# KiCad board HPM6750_COMBO_RevB .kicad_pcb
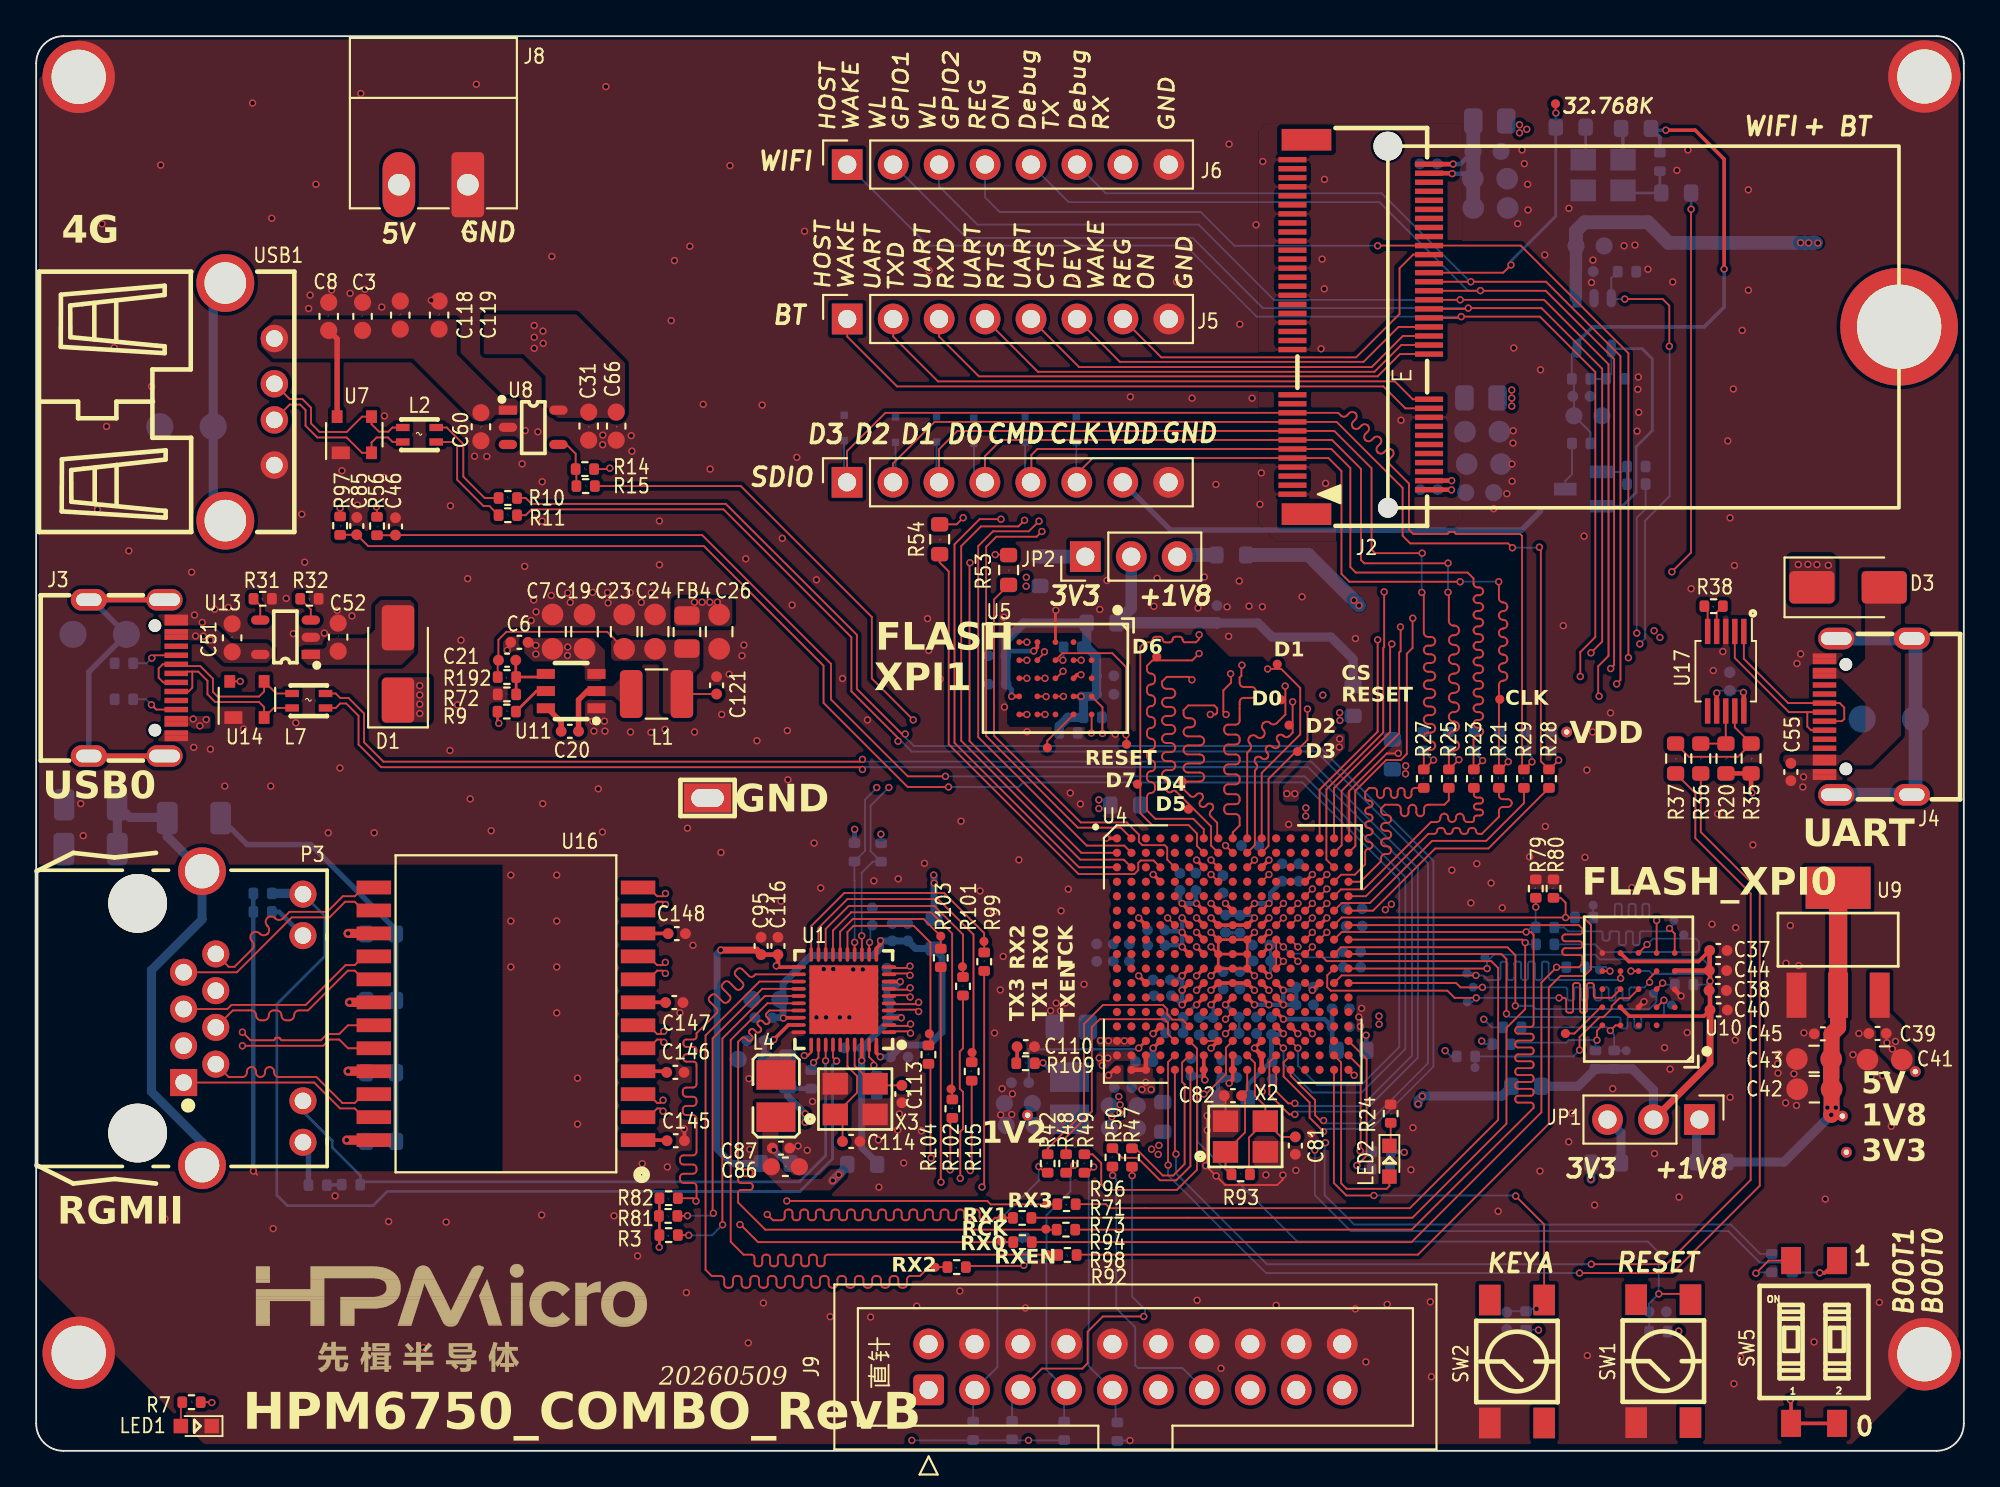
[diagram p0: board, top side]
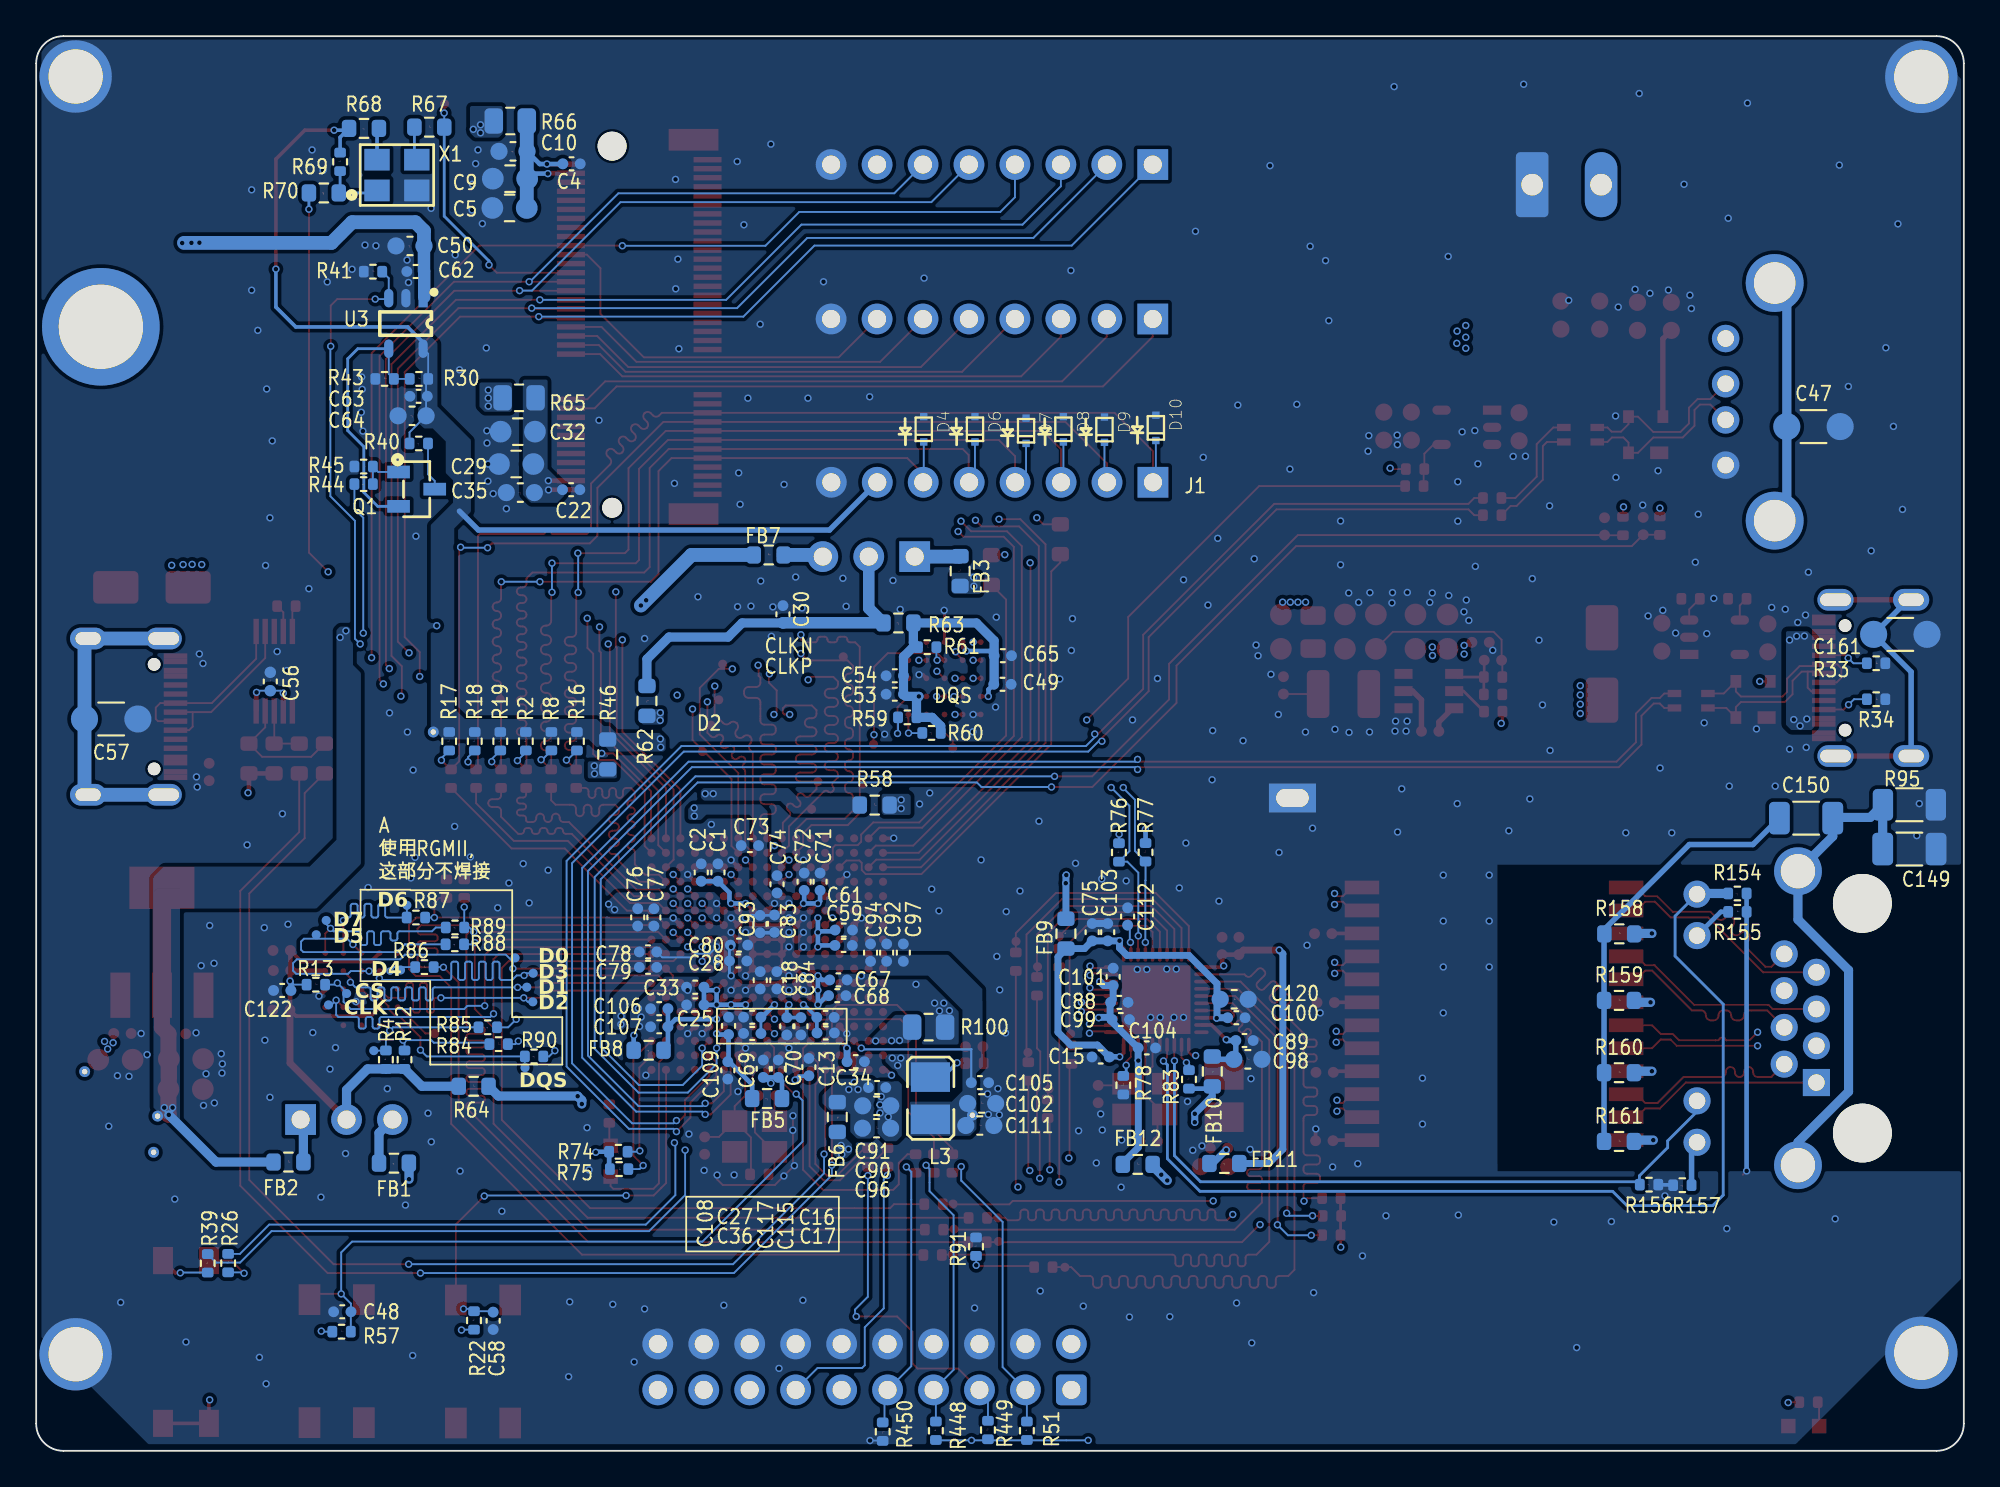
[diagram p1: board, bottom side, seen from below]

Outline 106.55 x 78.23 mm; copper layers: Top, GND2 (plane), POWER3, Bottom. Coordinates in mm from the lower left corner of the outline.
Outline path: 0,76.73 arc(0.44,77.79) 1.5,78.23 105.05,78.23 arc(106.11,77.79) 106.55,76.73 106.55,1.5 arc(106.11,0.44) 105.05,0 1.5,0 arc(0.44,0.44) 0,1.5 0,76.73
Stack: Top 0.0175mm / dielectric 0.1mm FR4 er 4.5 / GND2 0.0175mm / dielectric 1.31mm FR4 er 4.5 / POWER3 0.0175mm / dielectric 0.1mm FR4 er 4.5 / Bottom 0.0175mm

## Placement (name value [footprint] x y rotation side)
C1  0.1uF,16V  [C_0402_1005Metric]  68.87 31.98 270 bottom
C2  10uF,10V  [C_0402_1005Metric]  69.79 31.98 90 bottom
C3  10uF,16V  [C_0603_1608Metric]  18.04 62.74 90 top
C4  0.1uF,16V  [C_0402_1005Metric]  76.96 71.17 180 bottom
C5  22uF,16V  [C_0805_2012Metric]  80.38 68.73 0 bottom
C6  0.1uF,16V  [C_0402_1005Metric]  26.71 44.71 180 top
C7  22uF,16V  [C_0805_2012Metric]  28.54 45.3 90 top
C8  10uF,16V  [C_0603_1608Metric]  16.17 62.74 90 top
C9  22uF,16V  [C_0805_2012Metric]  80.36 70.35 0 bottom
C10  1uF,10V  [C_0603_1608Metric]  80.19 71.86 0 bottom
C13  0.1uF,16V  [C_0402_1005Metric]  63.84 21.22 270 bottom
C15  0.1uF,16V  [C_0402_1005Metric]  47.71 21.78 0 bottom
C16  4.7uF,10V  [C_0402_1005Metric]  62.92 23.97 180 bottom
C17  0.1uF,16V  [C_0402_1005Metric]  62.91 23.11 180 bottom
C18  10uF,10V  [C_0402_1005Metric]  66.53 26.02 270 bottom
C19  22uF,16V  [C_0805_2012Metric]  30.31 45.3 90 top
C20  0.1uF,16V  [C_0402_1005Metric]  29.5 39.79 0 top
C21  22pF,50V  [C_0402_1005Metric]  26.03 43.72 0 top
C22  0.1uF,16V  [C_0402_1005Metric]  76.98 53.15 180 bottom
C23  22uF,16V  [C_0805_2012Metric]  32.5 45.3 90 top
C24  22uF,16V  [C_0805_2012Metric]  34.21 45.3 90 top
C25  10uF,10V  [C_0402_1005Metric]  70.12 24.66 0 bottom
C26  22uF,16V  [C_0805_2012Metric]  37.75 45.3 270 top
C27  4.7uF,10V  [C_0402_1005Metric]  66.97 23.98 0 bottom
C28  10uF,10V  [C_0402_1005Metric]  67.75 27.09 0 bottom
C29  22uF,16V  [C_0805_2012Metric]  80.02 54.57 0 bottom
C30  10uF,10V  [C_0402_1005Metric]  65.27 46.26 90 bottom
C31  10uF,16V  [C_0603_1608Metric]  30.54 56.67 270 top
C32  22uF,16V  [C_0805_2012Metric]  79.93 56.36 0 bottom
C33  0.1uF,16V  [C_0402_1005Metric]  70.12 25.64 180 bottom
C34  10uF,10V  [C_0402_1005Metric]  61.25 21.52 180 bottom
C35  1uF,10V  [C_0603_1608Metric]  79.79 52.99 0 bottom
C36  0.1uF,16V  [C_0402_1005Metric]  66.97 23.08 0 bottom
C37  0.1uF,16V  [C_0402_1005Metric]  92.98 27.67 0 top
C38  0.1uF,16V  [C_0402_1005Metric]  92.95 25.46 0 top
C39  0.1uF,16V  [C_0402_1005Metric]  101.78 23.08 180 top
C40  0.1uF,16V  [C_0402_1005Metric]  93 24.38 0 top
C41  22uF,16V  [C_0805_2012Metric]  102.17 21.63 180 top
C42  22uF,16V  [C_0805_2012Metric]  98.29 20 180 top
C43  22uF,16V  [C_0805_2012Metric]  98.27 21.67 180 top
C44  10uF,10V  [C_0402_1005Metric]  92.96 26.56 0 top
C45  0.1uF,16V  [C_0402_1005Metric]  98.76 23.06 180 top
C46  0.1uF,16V  [C_0402_1005Metric]  19.86 51.12 90 top
C47  1nF,2kV  [C_1206_3216Metric#2]  8.31 56.64 180 bottom
C48  0.1uF,16V  [C_0402_1005Metric]  89.63 7.69 0 bottom
C49  0.1uF,16V  [C_0402_1005Metric]  53.14 42.39 180 bottom
C50  10uF,16V  [C_0603_1608Metric]  85.89 66.63 0 bottom
C51  10uF,16V  [C_0603_1608Metric]  10.83 44.96 90 top
C52  10uF,16V  [C_0603_1608Metric]  16.69 45 90 top
C53  0.1uF,16V  [C_0402_1005Metric]  59.09 41.84 0 bottom
C54  0.1uF,16V  [C_0402_1005Metric]  59.09 42.86 0 bottom
C55  10uF,10V  [C_0402_1005Metric]  96.99 37.54 270 top
C56  0.1uF,16V  [C_0402]  93.61 42.54 90 bottom
C57  1nF,2kV  [C_1206_3216Metric#2]  102.41 40.47 0 bottom
C58  0.1uF,16V  [C_0402_1005Metric]  81.29 7.19 270 bottom
C59  10uF,10V  [C_0402_1005Metric]  61.92 27.95 180 bottom
C60  10uF,16V  [C_0603_1608Metric]  24.58 56.63 270 top
C61  0.1uF,16V  [C_0402_1005Metric]  61.91 28.8 0 bottom
C62  0.1uF,16V  [C_0402_1005Metric]  85.58 65.22 0 bottom
C63  0.1uF,16V  [C_0402_1005Metric]  85.41 58.32 0 bottom
C64  10uF,16V  [C_0603_1608Metric]  85.77 57.24 0 bottom
C65  10uF,10V  [C_0402_1005Metric]  53.12 43.97 180 bottom
C66  10uF,16V  [C_0603_1608Metric]  32.06 56.67 270 top
C67  10uF,10V  [C_0402_1005Metric]  62.21 26.04 180 bottom
C68  0.1uF,16V  [C_0402_1005Metric]  62.27 25.17 0 bottom
C69  10uF,10V  [C_0402_1005Metric]  66.36 21.13 90 bottom
C70  0.1uF,16V  [C_0402_1005Metric]  65.53 21.13 270 bottom
C71  10uF,10V  [C_0402_1005Metric]  63.22 31.47 90 bottom
C72  0.1uF,16V  [C_0402_1005Metric]  64.1 31.47 270 bottom
C73  10uF,10V  [C_0402_1005Metric]  67.1 33.47 0 bottom
C74  0.1uF,16V  [C_0402_1005Metric]  65.6 31.33 270 bottom
C75  22uF,6.3V  [C_0402_1005Metric]  48.18 28.68 90 bottom
C76  10uF,10V  [C_0402_1005Metric]  73.3 29.5 270 bottom
C77  0.1uF,16V  [C_0402_1005Metric]  72.4 29.5 90 bottom
C78  10uF,10V  [C_0402_1005Metric]  72.73 27.59 0 bottom
C79  0.1uF,16V  [C_0402_1005Metric]  72.73 26.74 180 bottom
C80  10uF,10V  [C_0402_1005Metric]  67.7 27.97 0 bottom
C81  12pF,50V  [C_0402_1005Metric]  69.6 16.88 270 top
C82  12pF,50V  [C_0402_1005Metric]  66.15 19.64 180 top
C83  10uF,10V  [C_0402_1005Metric]  65.74 29.15 90 bottom
C84  0.1uF,16V  [C_0402_1005Metric]  65.61 26.02 270 bottom
C85  0.1uF,16V  [C_0402_1005Metric]  17.72 51.14 90 top
C86  22uF,10V  [C_0603_1608Metric]  41.41 15.71 0 top
C87  0.1uF,16V  [C_0402_1005Metric]  41.17 16.74 0 top
C88  0.1uF,16V  [C_0402_1005Metric]  46.68 24.8 180 bottom
C89  0.1uF,16V  [C_0402_1005Metric]  39.76 22.69 180 bottom
C90  22uF,10V  [C_0603_1608Metric]  60.09 19.08 180 bottom
C91  0.1uF,16V  [C_0402_1005Metric]  60.07 20.09 180 bottom
C92  0.1uF,16V  [C_0402_1005Metric]  59.54 27.55 90 bottom
C93  0.1uF,16V  [C_0402_1005Metric]  66.54 29.13 90 bottom
C94  0.1uF,16V  [C_0402_1005Metric]  60.43 27.55 90 bottom
C95  0.1uF,16V  [C_0402_1005Metric]  40.07 27.92 90 top
C96  22uF,10V  [C_0603_1608Metric]  60.1 17.84 180 bottom
C97  0.1uF,16V  [C_0402_1005Metric]  58.62 27.55 90 bottom
C98  22uF,10V  [C_0603_1608Metric]  39.57 21.65 180 bottom
C99  22uF,6.3V  [C_0402_1005Metric]  46.6 23.85 180 bottom
C100  0.1uF,16V  [C_0402_1005Metric]  40.21 23.95 180 bottom
C101  0.1uF,16V  [C_0402_1005Metric]  47.02 26.21 90 bottom
C102  22uF,10V  [C_0603_1608Metric]  54.29 19.21 180 bottom
C103  0.1uF,16V  [C_0402_1005Metric]  47.32 28.68 90 bottom
C104  0.1uF,16V  [C_0402_1005Metric]  45.16 22.28 180 bottom
C105  0.1uF,16V  [C_0402_1005Metric]  54.38 20.36 180 bottom
C106  10uF,10V  [C_0402_1005Metric]  72.11 24.45 0 bottom
C107  10nF,50V  [C_0402_1005Metric]  72.11 23.45 0 bottom
C108  10nF,50V  [C_0402_1005Metric]  68.28 23.5 90 bottom
C109  10uF,10V  [C_0402_1005Metric]  68.32 21.04 270 bottom
C110  2.2nF,50V  [C_0402_1005Metric]  54.7 22.35 0 top
C111  22uF,10V  [C_0603_1608Metric]  54.39 17.99 180 bottom
C112  0.1uF,16V  [C_0402_1005Metric]  46.22 29.55 90 bottom
C113  18pF,50V  [C_0402_1005Metric]  47.85 19.73 270 top
C114  18pF,50V  [C_0402_1005Metric]  45.05 17.11 0 top
C115  4.7uF,10V  [C_0402_1005Metric]  64.28 23.48 270 bottom
C116  22uF,6.3V  [C_0402_1005Metric]  41 27.92 90 top
C117  0.1uF,16V  [C_0402_1005Metric]  65.06 23.48 270 bottom
C118  10uF,16V  [C_0603_1608Metric]  20.12 62.81 90 top
C119  10uF,16V  [C_0603_1608Metric]  22.27 62.81 90 top
C120  22uF,10V  [C_0603_1608Metric]  40.33 24.97 180 bottom
C121  0.1uF,16V  [C_0402_1005Metric]  37.61 42.33 90 top
C122  10uF,10V  [C_0402_1005Metric]  92.95 25.46 0 bottom
C145  10nF,50V  [C_0402_1005Metric]  35.35 17.15 0 top
C146  10nF,50V  [C_0402_1005Metric]  35.33 20.93 0 top
C147  10nF,50V  [C_0402_1005Metric]  35.27 24.79 0 top
C148  10nF,50V  [C_0402_1005Metric]  35.41 28.6 0 top
C149  1nF,2kV  [C_1206_3216Metric]  3.01 33.28 0 bottom
C150  1nF,2kV  [C_1206_3216Metric]  8.72 34.99 0 bottom
C161  1nF,2kV  [C_1206_3216Metric#2]  3.51 45.15 0 bottom
D1  SS34A  [D_SMA]  20 43.51 90 top
D3  SS34A  [D_SMA]  100.15 47.75 0 top
D4  D1213A-01T  [SOD_523_1P4]  57.49 56.49 90 bottom
D6  D1213A-01T  [SOD_523_1P4]  54.66 56.49 90 bottom
D7  D1213A-01T  [SOD_523_1P4]  51.83 56.41 90 bottom
D8  D1213A-01T  [SOD_523_1P4]  49.77 56.49 90 bottom
D9  D1213A-01T  [SOD_523_1P4]  47.5 56.47 90 bottom
D10  D1213A-01T  [SOD_523_1P4]  44.66 56.57 90 bottom
FB1  100Ω@100MHz_2A  [R_0603_1608Metric]  86.78 15.91 0 bottom
FB2  100Ω@100MHz 2A  [R_0603_1608Metric]  92.6 15.97 180 bottom
FB3  100Ω@100MHz_2A  [R_0603_1608Metric]  55.48 48.65 90 bottom
FB4  100Ω@100MHz_2A  [R_0805_2012Metric]  35.97 45.28 270 top
FB5  100Ω@100MHz 2A  [R_0603_1608Metric]  66.15 19.48 0 bottom
FB6  100Ω@100MHz 2A  [R_0603_1608Metric]  62.27 18.46 270 bottom
FB7  100Ω@100MHz_2A  [R_0603_1608Metric]  66.06 49.54 180 bottom
FB8  100Ω@100MHz 2A  [R_0603_1608Metric]  72.7 22.15 0 bottom
FB9  600Ω@100MHz_1.3A  [R_0603_1608Metric]  49.63 28.6 90 bottom
FB10  600Ω@100MHz_1.3A  [R_0603_1608Metric]  41.54 20.98 270 bottom
FB11  600Ω@100MHz_1.3A  [R_0603_1608Metric]  40.88 15.89 0 bottom
FB12  600Ω@100MHz_1.3A  [R_0603_1608Metric]  45.66 15.84 180 bottom
H2  MountingHole_Pad  [FIX-4mm]  2.35 75.98 0 top
H3  MountingHole_Pad  [FIX-4mm]  104.37 76 0 top
H4  MountingHole_Pad  [FIX-4mm]  2.35 5.42 0 top
H5  MountingHole_Pad  [FIX-4mm]  104.37 5.34 0 top
J1  Conn_01x08  [PinSocket_1x08_P2.54mm_Vertical]  44.82 53.56 90 top
J2  AS0BC21-S40BE-7H  [S0BC21-S48BE-7H]  73.22 62.15 90 top
J3  USB_Type-C  [TYPE-C-16P]  5.33 42.74 270 top
J4  USB_Type-C  [TYPE-C-16P]  101.26 40.6 90 top
J5  Conn_01x08  [PinSocket_1x08_P2.54mm_Vertical]  44.83 62.59 90 top
J6  Conn_01x08  [PinSocket_1x08_P2.54mm_Vertical]  44.83 71.13 90 top
J7  测试针  [探针]  37.11 36.1 0 top
J8  KF2EDGR_3.81_2P  [PhoenixContact_MC_1,5_2-G-3.81_1x02_P3.81mm_Horizontal]  23.86 70.02 180 top
J9  2.54-2*10P简牛-2  [IDC-Header_2x10_P2.54mm]  49.33 3.37 90 top
JP1  Jumper_3_Bridged12  [PinHeader_1x03_P2.54mm_Vertical]  91.94 18.32 270 top
JP2  Jumper_3_Bridged12  [PinHeader_1x03_P2.54mm_Vertical]  57.99 49.45 90 top
L1  4.7uH_1.6A  [L_1210_3225Metric]  34.29 41.85 0 top
L2  DLW21SN900SQ2L  [L2012]  21.18 56.19 270 top
L3  4.7uH_1.4A  [L1008]  57.12 19.5 270 bottom
L4  4.7uH_1.4A  [L1008]  40.89 19.62 270 top
L7  DLW21SN900SQ2L  [L2012]  15.07 41.48 270 top
LED1  LED_RED  [LED_0603]  8.85 1.37 0 top
LED2  LED_GREEN  [LED_0603]  74.8 16.02 90 top
P3  RJ45  [RJ45-TH_B-1-1]  11.45 23.92 270 top
Q1  2N7002  [SOT-23]  85.52 53.18 0 bottom
R2  30K  [R_0402_1005Metric]  79.48 39.24 90 bottom
R3  4.7K  [R_0402_1005Metric]  34.96 11.93 180 top
R4  10K  [R_0402_1005Metric]  87.22 21.63 90 bottom
R7  1K  [R_0402_1005Metric]  8.58 2.69 0 top
R8  30K  [R_0402_1005Metric]  78.07 39.24 90 bottom
R9  10K  [R_0402_1005Metric]  26.01 40.88 0 top
R10  0Ω  [R_0402_1005Metric]  26.07 52.69 0 top
R11  0Ω  [R_0402_1005Metric]  26.07 51.74 0 top
R12  10K  [R_0402_1005Metric]  86.19 21.63 90 bottom
R13  10K  [R_0402_1005Metric]  91.09 25.78 180 bottom
R14  10K  [R_0402_1005Metric]  30.33 54.29 0 top
R15  0Ω_0402  [R_0402_1005Metric]  30.37 53.35 0 top
R16  30K  [R_0402_1005Metric]  76.66 39.24 90 bottom
R17  30K  [R_0402_1005Metric]  83.72 39.24 90 bottom
R18  30K  [R_0402_1005Metric]  82.31 39.24 90 bottom
R19  30K  [R_0402_1005Metric]  80.9 39.24 90 bottom
R20  10K  [R_0603_1608Metric]  93.4 38.29 270 top
R21  33Ω  [R_0402_1005Metric]  80.85 37.17 90 top
R22  10K  [R_0402_1005Metric]  82.35 7.21 90 bottom
R23  33Ω  [R_0402_1005Metric]  79.47 37.17 90 top
R24  2K  [R_0402_1005Metric]  74.87 18.65 270 top
R25  33Ω  [R_0402_1005Metric]  78.08 37.17 90 top
R26  10K_0402  [R_0402_1005Metric]  95.94 10.38 90 bottom
R27  33Ω  [R_0402_1005Metric]  76.7 37.17 90 top
R28  33Ω  [R_0402_1005Metric]  83.62 37.17 90 top
R29  33Ω  [R_0402_1005Metric]  82.24 37.17 90 top
R30  16K  [R_0402_1005Metric]  85.39 59.28 180 bottom
R31  10K  [R_0402_1005Metric]  12.52 47.12 180 top
R32  330Ω  [R_0402_1005Metric]  15.1 47.12 180 top
R33  5.1K  [R_0402_1005Metric]  4.85 43.55 180 bottom
R34  5.1K  [R_0402_1005Metric]  4.85 41.56 180 bottom
R35  10K  [R_0603_1608Metric]  94.79 38.29 270 top
R36  10Ω  [R_0603_1608Metric]  92.01 38.29 270 top
R37  10Ω  [R_0603_1608Metric]  90.62 38.29 270 top
R38  2K  [R_0402_1005Metric]  92.72 46.71 180 top
R39  10K_0402  [R_0402_1005Metric]  97.07 10.37 90 bottom
R40  10.5K  [R_0402_1005Metric]  85.4 55.71 0 bottom
R41  10K  [R_0402_1005Metric]  87.93 65.21 180 bottom
R42  33Ω  [R_0402_1005Metric]  55.91 15.89 90 top
R43  5.1K  [R_0402_1005Metric]  87.29 59.28 180 bottom
R44  0Ω  [R_0402_1005Metric]  88.45 53.46 0 bottom
R45  100K  [R_0402_1005Metric]  88.45 54.43 180 bottom
R46  0Ω  [R_0603_1608Metric]  74.96 38.51 270 bottom
R47  33Ω  [R_0402_1005Metric]  60.57 16.22 90 top
R48  33Ω  [R_0402_1005Metric]  56.93 15.89 90 top
R49  33Ω  [R_0402_1005Metric]  57.94 15.89 90 top
R50  33Ω  [R_0402_1005Metric]  59.49 16.23 90 top
R51  10K  [R_0402_1005Metric]  51.79 1.11 90 bottom
R53  0Ω  [R_0603_1608Metric]  53.75 48.71 270 top
R54  0Ω  [R_0603_1608Metric]  49.94 50.41 270 top
R56  10Ω  [R_0402_1005Metric]  18.84 51.14 270 top
R57  10K  [R_0402_1005Metric]  89.67 6.59 180 bottom
R58  0Ω  [R_0603_1608Metric]  60.2 35.71 180 bottom
R59  10K  [R_0402_1005Metric]  58.4 40.56 0 bottom
R60  10K  [R_0402_1005Metric]  57.06 39.7 0 bottom
R61  10K  [R_0402_1005Metric]  57.3 44.44 180 bottom
R62  0Ω  [R_0603_1608Metric]  72.79 41.47 270 bottom
R63  0Ω  [R_0603_1608Metric]  58.89 45.78 0 bottom
R64  0Ω  [R_0603_1608Metric]  82.37 20.16 180 bottom
R65  0Ω  [R_0805_2012Metric]  79.86 58.23 0 bottom
R66  0Ω  [R_0805_2012Metric]  80.34 73.54 0 bottom
R67  0Ω  [R_0603_1608Metric]  84.82 73.2 180 bottom
R68  0Ω  [R_0603_1608Metric]  88.43 73.13 0 bottom
R69  10.5K  [R_0402_1005Metric]  89.75 71.28 90 bottom
R70  100Ω  [R_0603_1608Metric]  90.65 69.56 0 bottom
R71  22Ω  [R_0402_1005Metric]  54.5 12.88 180 top
R72  10K  [R_0402_1005Metric]  26.02 41.83 0 top
R73  22Ω  [R_0402_1005Metric]  56.92 12.23 180 top
R74  4.7K  [R_0402_1005Metric]  74.37 16.54 0 bottom
R75  10K  [R_0402_1005Metric]  74.33 15.58 180 bottom
R76  4.7K  [R_0402_1005Metric]  46.7 33.09 90 bottom
R77  4.7K  [R_0402_1005Metric]  45.23 33.1 90 bottom
R78  2.49K  [R_0402_1005Metric]  46.46 20.22 90 bottom
R79  4.7K  [R_0402_1005Metric]  82.89 31.09 90 top
R80  4.7K  [R_0402_1005Metric]  83.87 31.09 90 top
R81  4.7K  [R_0402_1005Metric]  34.93 12.99 180 top
R82  4.7K  [R_0402_1005Metric]  34.96 13.97 180 top
R83  4.7K  [R_0402_1005Metric]  42.83 20.54 90 bottom
R84  0Ω  [R_0402_1005Metric]  80.99 22.49 180 bottom
R85  0Ω  [R_0402_1005Metric]  81.59 23.42 0 bottom
R86  0Ω  [R_0402_1005Metric]  85.09 26.75 180 bottom
R87  0Ω  [R_0402_1005Metric]  85.56 29.49 0 bottom
R88  0Ω  [R_0402_1005Metric]  83.41 28.01 0 bottom
R89  0Ω  [R_0402_1005Metric]  83.4 28.94 0 bottom
R90  0Ω  [R_0402_1005Metric]  79.03 21.81 0 bottom
R91  4.7K  [R_0402_1005Metric]  54.6 11.29 90 bottom
R92  22Ω  [R_0402_1005Metric]  50.88 10.16 180 top
R93  1M  [R_0402_1005Metric]  66.58 15.29 0 top
R94  22Ω  [R_0402_1005Metric]  54.52 11.54 180 top
R95  1M  [R_1206_3216Metric]  3.01 35.73 180 bottom
R96  22Ω  [R_0402_1005Metric]  56.95 13.64 180 top
R97  10Ω  [R_0402_1005Metric]  16.8 51.16 270 top
R98  0Ω  [R_0402_1005Metric]  57 10.83 180 top
R99  22Ω  [R_0402_1005Metric]  52.4 27.05 90 top
R100  0Ω  [R_0805_2012Metric]  57.22 23.43 0 bottom
R101  22Ω  [R_0402_1005Metric]  51.23 25.69 90 top
R102  22Ω  [R_0402_1005Metric]  50.64 18.92 90 top
R103  22Ω  [R_0402_1005Metric]  50 27.26 90 top
R104  22Ω  [R_0402_1005Metric]  49.32 21.91 90 top
R105  22Ω  [R_0402_1005Metric]  51.71 20.98 90 top
R109  10Ω  [R_0402_1005Metric]  54.69 21.43 0 top
R154  4.7K  [R_0402_1005Metric]  12.52 30.82 0 bottom
R155  330Ω  [R_0402_1005Metric]  12.51 29.81 180 bottom
R156  4.7K  [R_0402_1005Metric]  17.4 14.72 0 bottom
R157  330Ω  [R_0402_1005Metric]  15.56 14.69 0 bottom
R158  75Ω_0603  [R_0603_1608Metric]  19.04 28.59 180 bottom
R159  75Ω_0603  [R_0603_1608Metric]  19.06 24.91 180 bottom
R160  75Ω_0603  [R_0603_1608Metric]  19.06 20.91 180 bottom
R161  75Ω_0603  [R_0603_1608Metric]  19.06 17.11 180 bottom
R192  33.2K  [R_0402_1005Metric]  26.02 42.79 180 top
R448  10K  [R_0402_1005Metric]  56.82 1.11 90 bottom
R449  10K  [R_0402_1005Metric]  53.94 1.15 90 bottom
R450  10K  [R_0402_1005Metric]  59.76 1.06 270 bottom
REF**  HPM Logo  [HPM LOGO]  12.12 0.61 0 top
SW1  轻触开关  [轻触开关SMD-4P,4.5x4.5mm]  89.94 4.96 270 top
SW2  轻触开关4.5mm*4.5mm*4mm  [轻触开关SMD-4P,4.5x4.5mm]  81.85 4.94 270 top
SW5  拨码开关  [SW-SMD_DM-02-V]  98.27 6.02 0 top
TP1  0.5mm  [TestPoint_Pad_D0.5mm]  83.98 74.49 0 top
TP2  0.5mm  [Test_Point_D0.6mm]  103.87 20.97 0 top
TP3  0.5mm  [Test_Point_D0.6mm]  54.8 18.56 0 top
TP4  0.5mm  [Test_Point_D0.6mm]  100.06 16.51 0 top
TP5  0.5mm  [Test_Point_D0.6mm]  99.84 18.51 0 top
TP6  0.5mm  [Test_Point_D0.6mm]  84.6 39.75 0 top
TP7  0.5mm  [TestPoint_Pad_D0.5mm]  80.08 27.26 0 bottom
TP8  0.5mm  [TestPoint_Pad_D0.5mm]  79.43 25.64 0 bottom
TP9  0.5mm  [TestPoint_Pad_D0.5mm]  89.39 25.29 0 bottom
TP10  0.5mm  [TestPoint_Pad_D0.5mm]  79.1 24.83 0 bottom
TP11  0.5mm  [TestPoint_Pad_D0.5mm]  79.08 26.41 0 bottom
TP12  0.5mm  [TestPoint_Pad_D0.5mm]  86.41 26.59 0 bottom
TP13  0.5mm  [TestPoint_Pad_D0.5mm]  91.07 28.54 0 bottom
TP14  0.5mm  [TestPoint_Pad_D0.5mm]  86.06 30.17 0 bottom
TP15  0.5mm  [TestPoint_Pad_D0.5mm]  90.52 29.33 0 bottom
TP16  0.5mm  [TestPoint_Pad_D0.5mm]  79.53 21.19 0 bottom
TP17  0.5mm  [TestPoint_Pad_D0.5mm]  90.39 24.66 0 bottom
TP18  0.5mm  [TestPoint_Pad_D0.5mm]  87.89 22.13 0 bottom
TP19  0.5mm  [TestPoint_Pad_D0.5mm]  68.82 41.53 0 top
TP20  0.5mm  [TestPoint_Pad_D0.5mm]  68.6 43.5 0 top
TP21  0.5mm  [TestPoint_Pad_D0.5mm]  69.25 40.13 0 top
TP22  0.5mm  [TestPoint_Pad_D0.5mm]  69.72 38.67 0 top
TP24  0.5mm  [TestPoint_Pad_D0.5mm]  63.34 37.01 0 top
TP25  0.5mm  [TestPoint_Pad_D0.5mm]  63.69 35.48 0 top
TP26  0.5mm  [TestPoint_Pad_D0.5mm]  61.94 43.91 0 top
TP27  0.5mm  [TestPoint_Pad_D0.5mm]  60.87 36.87 0 top
TP32  0.5mm  [TestPoint_Pad_D0.5mm]  80.9 41.56 0 top
TP33  0.5mm  [TestPoint_Pad_D0.5mm]  53.36 11.58 90 top
TP34  0.5mm  [TestPoint_Pad_D0.5mm]  53.39 12.88 0 top
TP35  0.5mm  [TestPoint_Pad_D0.5mm]  49.69 10.15 90 top
TP36  0.5mm  [TestPoint_Pad_D0.5mm]  55.87 13.65 0 top
TP37  0.5mm  [TestPoint_Pad_D0.5mm]  55.81 12.26 90 top
TP38  0.5mm  [TestPoint_Pad_D0.5mm]  55.91 10.85 0 top
TP39  0.5mm  [TestPoint_Pad_D0.5mm]  52.39 28.17 0 top
TP40  0.5mm  [TestPoint_Pad_D0.5mm]  51.2 26.77 0 top
TP41  0.5mm  [TestPoint_Pad_D0.5mm]  50.57 20.01 0 top
TP42  0.5mm  [TestPoint_Pad_D0.5mm]  50 28.46 0 top
TP43  0.5mm  [TestPoint_Pad_D0.5mm]  49.37 23.06 0 top
TP44  0.5mm  [TestPoint_Pad_D0.5mm]  51.73 22.03 0 top
TP45  0.5mm  [TestPoint_Pad_D0.5mm]  60.27 39.07 0 top
TP46  0.5mm  [TestPoint_Pad_D0.5mm]  84.53 23.08 0 top
TP47  0.5mm  [TestPoint_Pad_D0.5mm]  55.89 38.88 0 top
U1  RTL8211F-CG  [WQFN-40]  44.64 24.95 90 top
U3  TPL730ADJ-5TR  [SOT-23-5]  86.11 62.34 270 bottom
U4  HPM6754IVM2  [BGA-289_17x17_14.0x14.0mm_P0.8mm]  66.14 27.47 0 top
U5  W35T25NW  [TFBGA-24_W25Q32JVTB]  56.34 42.72 270 top
U7  PRTR5V0U2X  [SOT-143]  17.58 56.19 90 top
U8  AP2151WG-7  [SOT-23-5]  27.47 56.6 0 top
U9  AMS1117-1.8  [SOT-223-3]  99.6 28.17 270 top
U10  W35T25NW  [TFBGA-24_W25Q32JVTB]  88.57 25.53 180 top
U11  TPS564201DDCR  [SOT-23-6]  29.56 42.26 180 top
U13  PW1515  [SOT-23-5]  13.78 44.99 180 top
U14  PRTR5V0U2X  [SOT-143]  11.65 41.55 90 top
U16  网口变压器H5007NL  [PULSE_H5007NL]  25.97 24.17 180 top
U17  CH340E  [MSOP-10]  93.39 43.11 270 top
USB1  AF_90°_WJDG  [USB-A-TH]  11.81 58.01 270 top
X1  32.768kHz,±20ppm,1.8V~3.3V  [3225]  86.61 70.55 180 bottom
X2  24MHz ±10ppm 12pF  [3225]  66.84 17.38 0 top
X3  25MHz_±10ppm_12pF  [3225]  45.27 19.45 0 top
